# Altium PCB Goldstrike1_Rev01 2014 06 02 2.PcbDoc (part 2 of 6)
Units mm, origin at the board's own origin, x right, y up, seen from the top; angles counter-clockwise.
Board outline 110 x 255.5 mm, 4 copper layers (L1, L2, L3, L4), stack 1.577 mm thick; 658 components, 193 nets, 4346 pads, 2120 vias.
Unrouted connection lines stored in the file: 1041.
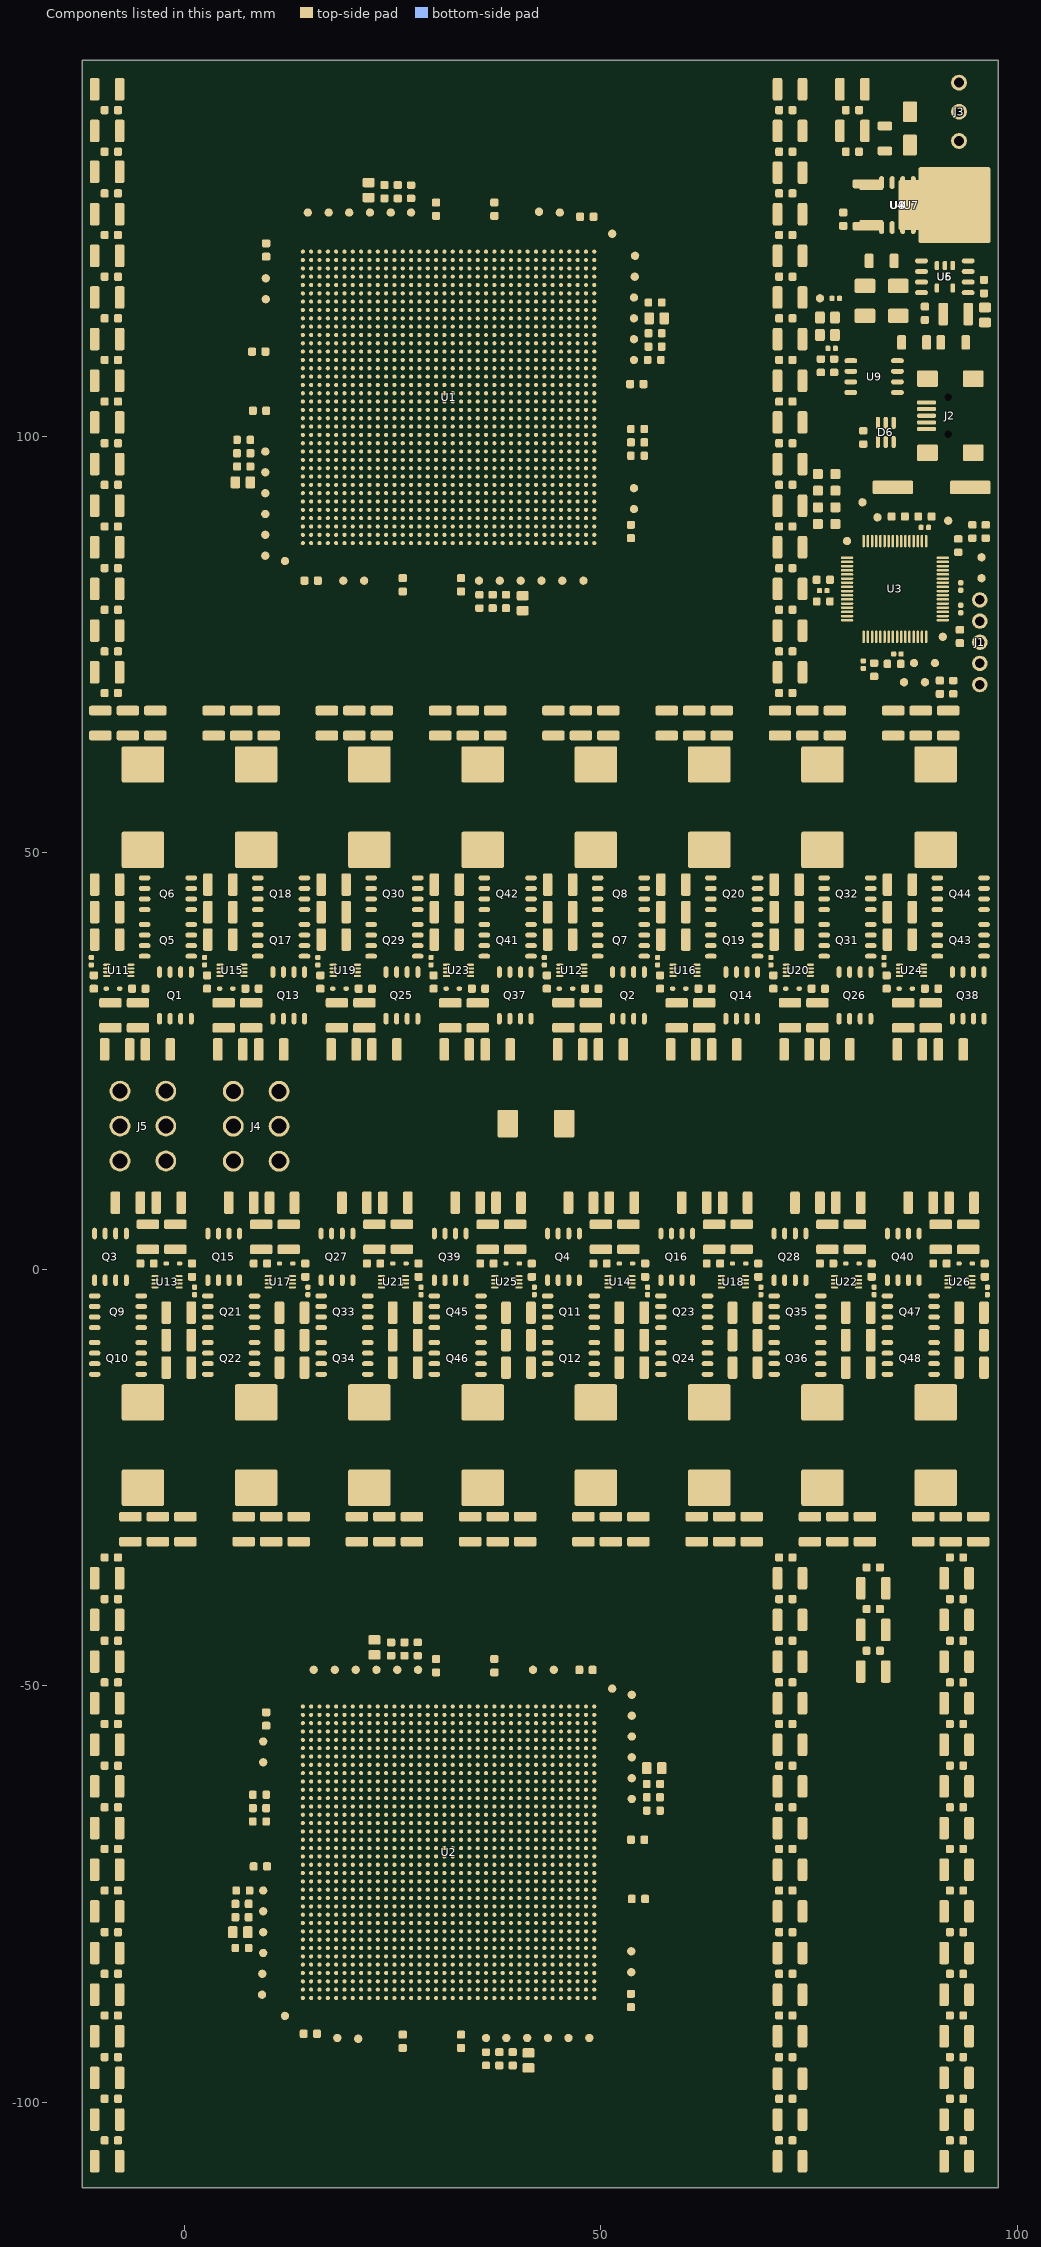
[diagram p4: the components of this part, seen from the top]

## Components (designator, comment, footprint, x,y, rotation, side; value= is the part's Value field where it differs from the comment) (continued)
C402 "SMD_1210_CAPC3225X270N" SMD_1210_CAPC3225X270N 59.9,26.4 r180 top
C403 "SMD_1210_CAPC3225X270N" SMD_1210_CAPC3225X270N 62.4,30.5 r90 top
C404 "SMD_1210_CAPC3225X270N" SMD_1210_CAPC3225X270N 73.5,26.4 r180 top
C405 "SMD_1210_CAPC3225X270N" SMD_1210_CAPC3225X270N 76,30.5 r90 top
C406 "SMD_1210_CAPC3225X270N" SMD_1210_CAPC3225X270N 87.1,26.4 r180 top
C407 "SMD_1210_CAPC3225X270N" SMD_1210_CAPC3225X270N 89.6,30.5 r90 top
C408 "SMD_1210_CAPC3225X279N" SMD_1210_CAPC3225X279N -9.3,42.9 r180 top
C409 "SMD_1210_CAPC3225X279N" SMD_1210_CAPC3225X279N -9.3,46.2 r180 top
C410 "SMD_1210_CAPC3225X279N" SMD_1210_CAPC3225X279N -9.3,39.6 r180 top
C411 "SMD_1210_CAPC3225X279N" SMD_1210_CAPC3225X279N 4.3,42.9 r180 top
C412 "SMD_1210_CAPC3225X279N" SMD_1210_CAPC3225X279N 4.3,46.2 r180 top
C413 "SMD_1210_CAPC3225X279N" SMD_1210_CAPC3225X279N 4.3,39.6 r180 top
C414 "SMD_1210_CAPC3225X279N" SMD_1210_CAPC3225X279N 17.9,42.9 r180 top
C415 "SMD_1210_CAPC3225X279N" SMD_1210_CAPC3225X279N 17.9,46.2 r180 top
C416 "SMD_1210_CAPC3225X279N" SMD_1210_CAPC3225X279N 17.9,39.6 r180 top
C417 "SMD_1210_CAPC3225X279N" SMD_1210_CAPC3225X279N 31.5,42.9 r180 top
C418 "SMD_1210_CAPC3225X279N" SMD_1210_CAPC3225X279N 31.5,46.2 r180 top
C419 "SMD_1210_CAPC3225X279N" SMD_1210_CAPC3225X279N 31.5,39.6 r180 top
C420 "SMD_1210_CAPC3225X270N" SMD_1210_CAPC3225X270N -8.1,26.4 r180 top
C421 "SMD_1210_CAPC3225X270N" SMD_1210_CAPC3225X270N -5.6,30.5 r90 top
C422 "SMD_1210_CAPC3225X270N" SMD_1210_CAPC3225X270N 5.5,26.4 r180 top
C423 "SMD_1210_CAPC3225X270N" SMD_1210_CAPC3225X270N 8,30.5 r90 top
C424 "SMD_1210_CAPC3225X270N" SMD_1210_CAPC3225X270N 19.1,26.4 r180 top
C425 "SMD_1210_CAPC3225X270N" SMD_1210_CAPC3225X270N 21.6,30.5 r90 top
C426 "SMD_1210_CAPC3225X270N" SMD_1210_CAPC3225X270N 32.7,26.4 r180 top
C427 "SMD_1210_CAPC3225X270N" SMD_1210_CAPC3225X270N 35.2,30.5 r90 top
D1 "SMD_0805_LED2012X100N" SMD_0805_LED2012X100N 77.1,89.5 r0 top
D2 "SMD_0805_LED2012X100N" SMD_0805_LED2012X100N 77.1,91.5 r0 top
D3 "SMD_0805_LED2012X100N" SMD_0805_LED2012X100N 77.1,95.5 r0 top
D4 "SMD_0805_LED2012X100N" SMD_0805_LED2012X100N 77.1,93.5 r0 top
D5 "SMD_DO214AC_SMA" SMD_DO214AC_SMA 83.7,114.5 r180 top
D6 "SMD_SOT457_SOT95P275X110-6N" SMD_SOT457_SOT95P275X110-6N 84.2,100.5 r270 top
D7 "SMD_DO214AC_SMA" SMD_DO214AC_SMA 83.7,118.1 r0 top
D8 "SMD_DO214AC_SMA" SMD_DO214AC_SMA 87.1,137 r90 top
D9 "SMD_DO214AC_SMC" SMD_DO214AC_SMC 42.2,17.5 r180 top
D10 "SMD_SOD523_SOD1608X65N" SMD_SOD523_SOD1608X65N -8.6,33.7 r180 top
D11 "SMD_SOD523_SOD1608X65N" SMD_SOD523_SOD1608X65N 45.8,33.7 r180 top
D12 "SMD_SOD523_SOD1608X65N" SMD_SOD523_SOD1608X65N -1.4,0.7 r0 top
D13 "SMD_SOD523_SOD1608X65N" SMD_SOD523_SOD1608X65N 53,0.7 r0 top
D14 "SMD_SOD523_SOD1608X65N" SMD_SOD523_SOD1608X65N 5,33.7 r180 top
D15 "SMD_SOD523_SOD1608X65N" SMD_SOD523_SOD1608X65N 59.4,33.7 r180 top
D16 "SMD_SOD523_SOD1608X65N" SMD_SOD523_SOD1608X65N 12.2,0.7 r0 top
D17 "SMD_SOD523_SOD1608X65N" SMD_SOD523_SOD1608X65N 66.6,0.7 r0 top
D18 "SMD_SOD523_SOD1608X65N" SMD_SOD523_SOD1608X65N 18.6,33.7 r180 top
D19 "SMD_SOD523_SOD1608X65N" SMD_SOD523_SOD1608X65N 73,33.7 r180 top
D20 "SMD_SOD523_SOD1608X65N" SMD_SOD523_SOD1608X65N 25.8,0.7 r0 top
D21 "SMD_SOD523_SOD1608X65N" SMD_SOD523_SOD1608X65N 80.2,0.7 r0 top
D22 "SMD_SOD523_SOD1608X65N" SMD_SOD523_SOD1608X65N 32.2,33.7 r180 top
D23 "SMD_SOD523_SOD1608X65N" SMD_SOD523_SOD1608X65N 86.6,33.7 r180 top
D24 "SMD_SOD523_SOD1608X65N" SMD_SOD523_SOD1608X65N 39.4,0.7 r0 top
D25 "SMD_SOD523_SOD1608X65N" SMD_SOD523_SOD1608X65N 93.8,0.7 r0 top
FB1 "SMD_0805_INDC2012X105N" SMD_0805_INDC2012X105N 7,94.5 r0 top
FB2 "SMD_0805_INDC2012X105N" SMD_0805_INDC2012X105N 56.7,114.2 r180 top
FB3 "SMD_0805_INDC2012X105N" SMD_0805_INDC2012X105N 40.6,80 r90 top
FB4 "SMD_0805_INDC2012X105N" SMD_0805_INDC2012X105N 22.1,129.6 r270 top
FB5 "SMD_0805_INDC2012X105N" SMD_0805_INDC2012X105N 77.2,114.3 r180 top
FB6 "SMD_0805_INDC2012X105N" SMD_0805_INDC2012X105N 56.4,-59.9 r180 top
FB7 "SMD_0805_INDC2012X105N" SMD_0805_INDC2012X105N 6.7,-79.6 r0 top
FB8 "SMD_0805_INDC2012X105N" SMD_0805_INDC2012X105N 22.8,-45.4 r270 top
FB9 "SMD_0805_INDC2012X105N" SMD_0805_INDC2012X105N 41.3,-95 r90 top
J1 "PTH_HDRV05W64P254_1X05" PTH_HDRV05W64P254_1X05 95.5,75.3 r270 top
J2 "SMD_CON-CVILUX-CU04-SCM15B0" SMD_CON-CVILUX-CU04-SCM15B0 91.7,102.5 r90 top
J3 "PTH_CON_HD-351-3P" PTH_CON_HD-351-3P 93,139 r90 top
J4 "PTH_CON_WR-MRC4-6P_S" PTH_CON_WR-MRC4-6P_S 8.6,17.181 r90 top
J5 "PTH_CON_WR-MRC4-6P_S" PTH_CON_WR-MRC4-6P_S -5,17.2 r90 top
L1 "SMT_INDM135130X800N" SMT_INDM135130X800N -5,55.5 r90 top
L2 "SMT_INDM135130X800N" SMT_INDM135130X800N 49.4,55.5 r90 top
L3 "SMT_INDM135130X800N" SMT_INDM135130X800N -5,-21.1 r270 top
L4 "SMT_INDM135130X800N" SMT_INDM135130X800N 49.4,-21.1 r270 top
L5 "SMT_INDM135130X800N" SMT_INDM135130X800N 8.6,55.5 r90 top
L6 "SMT_INDM135130X800N" SMT_INDM135130X800N 63,55.5 r90 top
L7 "SMT_INDM135130X800N" SMT_INDM135130X800N 8.6,-21.1 r270 top
L8 "SMT_INDM135130X800N" SMT_INDM135130X800N 63,-21.1 r270 top
L9 "SMT_INDM135130X800N" SMT_INDM135130X800N 22.2,55.5 r90 top
L10 "SMT_INDM135130X800N" SMT_INDM135130X800N 76.6,55.5 r90 top
L11 "SMT_INDM135130X800N" SMT_INDM135130X800N 22.2,-21.1 r270 top
L12 "SMT_INDM135130X800N" SMT_INDM135130X800N 76.6,-21.1 r270 top
L13 "SMT_INDM135130X800N" SMT_INDM135130X800N 35.8,55.5 r90 top
L14 "SMT_INDM135130X800N" SMT_INDM135130X800N 90.2,55.5 r90 top
L15 "SMT_INDM135130X800N" SMT_INDM135130X800N 35.8,-21.1 r270 top
L16 "SMT_INDM135130X800N" SMT_INDM135130X800N 90.2,-21.1 r270 top
Q1 "SMD_SOIC127P600X110-9AN" SMD_SOIC127P600X110-9AN -1.1,32.9 r270 top
Q2 "SMD_SOIC127P600X110-9AN" SMD_SOIC127P600X110-9AN 53.3,32.9 r270 top
Q3 "SMD_SOIC127P600X110-9AN" SMD_SOIC127P600X110-9AN -8.9,1.5 r90 top
Q4 "SMD_SOIC127P600X110-9AN" SMD_SOIC127P600X110-9AN 45.5,1.5 r90 top
Q5 "SMD_SOIC127P600X110-9AN" SMD_SOIC127P600X110-9AN -2,39.5 r0 top
Q6 "SMD_SOIC127P600X110-9AN" SMD_SOIC127P600X110-9AN -2,45.1 r0 top
Q7 "SMD_SOIC127P600X110-9AN" SMD_SOIC127P600X110-9AN 52.4,39.5 r0 top
Q8 "SMD_SOIC127P600X110-9AN" SMD_SOIC127P600X110-9AN 52.4,45.1 r0 top
Q9 "SMD_SOIC127P600X110-9AN" SMD_SOIC127P600X110-9AN -8,-5.1 r180 top
Q10 "SMD_SOIC127P600X110-9AN" SMD_SOIC127P600X110-9AN -8,-10.7 r180 top
Q11 "SMD_SOIC127P600X110-9AN" SMD_SOIC127P600X110-9AN 46.4,-5.1 r180 top
Q12 "SMD_SOIC127P600X110-9AN" SMD_SOIC127P600X110-9AN 46.4,-10.7 r180 top
Q13 "SMD_SOIC127P600X110-9AN" SMD_SOIC127P600X110-9AN 12.5,32.9 r270 top
Q14 "SMD_SOIC127P600X110-9AN" SMD_SOIC127P600X110-9AN 66.9,32.9 r270 top
Q15 "SMD_SOIC127P600X110-9AN" SMD_SOIC127P600X110-9AN 4.7,1.5 r90 top
Q16 "SMD_SOIC127P600X110-9AN" SMD_SOIC127P600X110-9AN 59.1,1.5 r90 top
Q17 "SMD_SOIC127P600X110-9AN" SMD_SOIC127P600X110-9AN 11.6,39.5 r0 top
Q18 "SMD_SOIC127P600X110-9AN" SMD_SOIC127P600X110-9AN 11.6,45.1 r0 top
Q19 "SMD_SOIC127P600X110-9AN" SMD_SOIC127P600X110-9AN 66,39.5 r0 top
Q20 "SMD_SOIC127P600X110-9AN" SMD_SOIC127P600X110-9AN 66,45.1 r0 top
Q21 "SMD_SOIC127P600X110-9AN" SMD_SOIC127P600X110-9AN 5.6,-5.1 r180 top
Q22 "SMD_SOIC127P600X110-9AN" SMD_SOIC127P600X110-9AN 5.6,-10.7 r180 top
Q23 "SMD_SOIC127P600X110-9AN" SMD_SOIC127P600X110-9AN 60,-5.1 r180 top
Q24 "SMD_SOIC127P600X110-9AN" SMD_SOIC127P600X110-9AN 60,-10.7 r180 top
Q25 "SMD_SOIC127P600X110-9AN" SMD_SOIC127P600X110-9AN 26.1,32.9 r270 top
Q26 "SMD_SOIC127P600X110-9AN" SMD_SOIC127P600X110-9AN 80.5,32.9 r270 top
Q27 "SMD_SOIC127P600X110-9AN" SMD_SOIC127P600X110-9AN 18.3,1.5 r90 top
Q28 "SMD_SOIC127P600X110-9AN" SMD_SOIC127P600X110-9AN 72.7,1.5 r90 top
Q29 "SMD_SOIC127P600X110-9AN" SMD_SOIC127P600X110-9AN 25.2,39.5 r0 top
Q30 "SMD_SOIC127P600X110-9AN" SMD_SOIC127P600X110-9AN 25.2,45.1 r0 top
Q31 "SMD_SOIC127P600X110-9AN" SMD_SOIC127P600X110-9AN 79.6,39.5 r0 top
Q32 "SMD_SOIC127P600X110-9AN" SMD_SOIC127P600X110-9AN 79.6,45.1 r0 top
Q33 "SMD_SOIC127P600X110-9AN" SMD_SOIC127P600X110-9AN 19.2,-5.1 r180 top
Q34 "SMD_SOIC127P600X110-9AN" SMD_SOIC127P600X110-9AN 19.2,-10.7 r180 top
Q35 "SMD_SOIC127P600X110-9AN" SMD_SOIC127P600X110-9AN 73.6,-5.1 r180 top
Q36 "SMD_SOIC127P600X110-9AN" SMD_SOIC127P600X110-9AN 73.6,-10.7 r180 top
Q37 "SMD_SOIC127P600X110-9AN" SMD_SOIC127P600X110-9AN 39.7,32.9 r270 top
Q38 "SMD_SOIC127P600X110-9AN" SMD_SOIC127P600X110-9AN 94.1,32.9 r270 top
Q39 "SMD_SOIC127P600X110-9AN" SMD_SOIC127P600X110-9AN 31.9,1.5 r90 top
Q40 "SMD_SOIC127P600X110-9AN" SMD_SOIC127P600X110-9AN 86.3,1.5 r90 top
Q41 "SMD_SOIC127P600X110-9AN" SMD_SOIC127P600X110-9AN 38.8,39.5 r0 top
Q42 "SMD_SOIC127P600X110-9AN" SMD_SOIC127P600X110-9AN 38.8,45.1 r0 top
Q43 "SMD_SOIC127P600X110-9AN" SMD_SOIC127P600X110-9AN 93.2,39.5 r0 top
Q44 "SMD_SOIC127P600X110-9AN" SMD_SOIC127P600X110-9AN 93.2,45.1 r0 top
Q45 "SMD_SOIC127P600X110-9AN" SMD_SOIC127P600X110-9AN 32.8,-5.1 r180 top
Q46 "SMD_SOIC127P600X110-9AN" SMD_SOIC127P600X110-9AN 32.8,-10.7 r180 top
Q47 "SMD_SOIC127P600X110-9AN" SMD_SOIC127P600X110-9AN 87.2,-5.1 r180 top
Q48 "SMD_SOIC127P600X110-9AN" SMD_SOIC127P600X110-9AN 87.2,-10.7 r180 top
R1 "SMD_0603_RESC1608X55N" SMD_0603_RESC1608X55N 6.9,-81.5 r180 top
R2 "SMD_0603_RESC1608X55N" SMD_0603_RESC1608X55N 9,-63.1 r180 top
R3 "SMD_0603_RESC1608X55N" SMD_0603_RESC1608X55N 56.5,116.1 r0 top
R4 "SMD_0603_RESC1608X55N" SMD_0603_RESC1608X55N 96.2,88.6 r270 top
R5 "SMD_0603_RESC1608X55N" SMD_0603_RESC1608X55N 94.6,88.6 r270 top
R6 "SMD_0603_RESC1608X55N" SMD_0603_RESC1608X55N 92.3,69.9 r270 top
R9 "SMD_0603_RESC1608X55N" SMD_0603_RESC1608X55N 82.8,72 r270 top
R10 "SMD_0603_RESC1608X55N" SMD_0603_RESC1608X55N 92.9,86.9 r270 top
R11 "SMD_0603_RESC1608X55N" SMD_0603_RESC1608X55N 81.5,99.9 r270 top
R12 "SMD_1206_RESC3216X65N" SMD_1206_RESC3216X65N 83.7,121.1 r0 top
R13 "SMD_1206_RESC3216X65N" SMD_1206_RESC3216X65N 84.1,135.8 r90 top
R14 "SMD_1206_RESC3216X65N" SMD_1206_RESC3216X65N 92.3,111.3 r0 top
R15 "SMD_1206_RESC3216X65N" SMD_1206_RESC3216X65N 87.6,111.3 r180 top
R16 "SMD_0603_RESC1608X55N" SMD_0603_RESC1608X55N 78,108.5 r270 top
R17 "SMD_0603_RESC1608X55N" SMD_0603_RESC1608X55N 76.4,108.5 r90 top
R20 "SMD_0603_RESC1608X55N" SMD_0603_RESC1608X55N 54.4,97.7 r0 top
R21 "SMD_0603_RESC1608X55N" SMD_0603_RESC1608X55N 85.2,72.7 r180 top
R22 "SMD_0603_RESC1608X55N" SMD_0603_RESC1608X55N 54.4,100.9 r180 top
R23 "SMD_0603_RESC1608X55N" SMD_0603_RESC1608X55N 9,-66.3 r0 top
R26 "SMD_0603_RESC1608X55N" SMD_0603_RESC1608X55N 76.7,80.2 r180 top
R27 "SMD_0603_RESC1608X55N" SMD_0603_RESC1608X55N 7.1,99.6 r0 top
R28 "SMD_0603_RESC1608X55N" SMD_0603_RESC1608X55N 35.4,80.2 r90 top
R29 "SMD_0603_RESC1608X55N" SMD_0603_RESC1608X55N 56.4,109.2 r180 top
R30 "SMD_0603_RESC1608X55N" SMD_0603_RESC1608X55N 27.2,129.4 r270 top
R31 "SMD_0603_RESC1608X55N" SMD_0603_RESC1608X55N 56.3,-65 r180 top
R32 "SMD_0603_RESC1608X55N" SMD_0603_RESC1608X55N 28,-45.6 r270 top
R33 "SMD_0603_RESC1608X55N" SMD_0603_RESC1608X55N 7,-74.6 r0 top
R34 "SMD_0603_RESC1608X55N" SMD_0603_RESC1608X55N 36.2,-94.8 r90 top
TP2 "SMD_TP_100-254" SMD_TP_100-254 76.3,116.6 r0 top
TP3 "SMD_TP_100-254" SMD_TP_100-254 86.4,70.5 r0 top
TP5 "SMD_TP_100-254" SMD_TP_100-254 87.6,72.8 r0 top
TP6 "SMD_TP_100-254" SMD_TP_100-254 88.9,70.5 r0 top
TP7 "SMD_TP_100-254" SMD_TP_100-254 90.1,72.8 r0 top
TP10 "SMD_TP_100-254" SMD_TP_100-254 95.7,83 r0 top
TP11 "SMD_TP_100-254" SMD_TP_100-254 95.7,85.5 r0 top
TP12 "SMD_TP_100-254" SMD_TP_100-254 81.4,92.1 r0 top
TP13 "SMD_TP_100-254" SMD_TP_100-254 83.2,90.3 r0 top
TP21 "SMD_TP_100-254" SMD_TP_100-254 91.7,89.9 r0 top
TP22 "SMD_TP_100-254" SMD_TP_100-254 19.059,82.696 r0 top
TP23 "SMD_TP_100-254" SMD_TP_100-254 53.959,91.296 r0 top
TP24 "SMD_TP_100-254" SMD_TP_100-254 45.059,126.896 r0 top
TP25 "SMD_TP_100-254" SMD_TP_100-254 9.759,118.996 r0 top
TP26 "SMD_TP_100-254" SMD_TP_100-254 21.559,82.696 r0 top
TP27 "SMD_TP_100-254" SMD_TP_100-254 53.959,93.796 r0 top
TP28 "SMD_TP_100-254" SMD_TP_100-254 42.559,126.996 r0 top
TP29 "SMD_TP_100-254" SMD_TP_100-254 9.759,116.496 r0 top
TP30 "SMD_TP_100-254" SMD_TP_100-254 44.341,-48.096 r180 top
TP31 "SMD_TP_100-254" SMD_TP_100-254 9.441,-56.696 r180 top
TP32 "SMD_TP_100-254" SMD_TP_100-254 18.341,-92.296 r180 top
TP33 "SMD_TP_100-254" SMD_TP_100-254 53.641,-84.396 r180 top
TP34 "SMD_TP_100-254" SMD_TP_100-254 41.841,-48.096 r180 top
TP35 "SMD_TP_100-254" SMD_TP_100-254 9.441,-59.196 r180 top
TP36 "SMD_TP_100-254" SMD_TP_100-254 20.841,-92.396 r180 top
TP37 "SMD_TP_100-254" SMD_TP_100-254 53.641,-81.896 r180 top
TP38 "SMD_TP_100-254" SMD_TP_100-254 9.7,88.2 r0 top
TP39 "SMD_TP_100-254" SMD_TP_100-254 45.359,82.696 r0 top
TP40 "SMD_TP_100-254" SMD_TP_100-254 54.059,119.196 r0 top
TP41 "SMD_TP_100-254" SMD_TP_100-254 17.3,126.9 r0 top
TP42 "SMD_TP_100-254" SMD_TP_100-254 9.7,93.2 r0 top
TP43 "SMD_TP_100-254" SMD_TP_100-254 40.359,82.696 r0 top
TP44 "SMD_TP_100-254" SMD_TP_100-254 53.959,114.196 r0 top
TP45 "SMD_TP_100-254" SMD_TP_100-254 22.259,126.896 r0 top
TP46 "SMD_TP_100-254" SMD_TP_100-254 9.7,90.7 r0 top
TP47 "SMD_TP_100-254" SMD_TP_100-254 42.859,82.696 r0 top
TP48 "SMD_TP_100-254" SMD_TP_100-254 53.959,116.696 r0 top
TP49 "SMD_TP_100-254" SMD_TP_100-254 19.759,126.896 r0 top
TP50 "SMD_TP_100-254" SMD_TP_100-254 9.7,95.7 r0 top
TP51 "SMD_TP_100-254" SMD_TP_100-254 37.859,82.696 r0 top
TP52 "SMD_TP_100-254" SMD_TP_100-254 53.959,111.696 r0 top
TP53 "SMD_TP_100-254" SMD_TP_100-254 24.759,126.896 r0 top
TP54 "SMD_TP_100-254" SMD_TP_100-254 53.7,-53.6 r180 top
TP55 "SMD_TP_100-254" SMD_TP_100-254 18.041,-48.096 r180 top
TP56 "SMD_TP_100-254" SMD_TP_100-254 9.341,-84.596 r180 top
TP57 "SMD_TP_100-254" SMD_TP_100-254 46.1,-92.3 r180 top
TP58 "SMD_TP_100-254" SMD_TP_100-254 53.7,-58.6 r180 top
TP59 "SMD_TP_100-254" SMD_TP_100-254 23.041,-48.096 r180 top
TP60 "SMD_TP_100-254" SMD_TP_100-254 9.441,-79.596 r180 top
TP61 "SMD_TP_100-254" SMD_TP_100-254 41.141,-92.296 r180 top
TP62 "SMD_TP_100-254" SMD_TP_100-254 53.7,-56.1 r180 top
TP63 "SMD_TP_100-254" SMD_TP_100-254 20.541,-48.096 r180 top
TP64 "SMD_TP_100-254" SMD_TP_100-254 9.441,-82.096 r180 top
TP65 "SMD_TP_100-254" SMD_TP_100-254 43.641,-92.296 r180 top
TP66 "SMD_TP_100-254" SMD_TP_100-254 53.7,-61.1 r180 top
TP67 "SMD_TP_100-254" SMD_TP_100-254 25.541,-48.096 r180 top
TP68 "SMD_TP_100-254" SMD_TP_100-254 9.441,-77.096 r180 top
TP69 "SMD_TP_100-254" SMD_TP_100-254 38.641,-92.296 r180 top
TP70 "SMD_TP_100-254" SMD_TP_100-254 9.7,85.7 r0 top
TP71 "SMD_TP_100-254" SMD_TP_100-254 14.8,126.9 r0 top
TP72 "SMD_TP_100-254" SMD_TP_100-254 47.9,82.7 r0 top
TP73 "SMD_TP_100-254" SMD_TP_100-254 54.1,121.7 r0 top
TP74 "SMD_TP_100-254" SMD_TP_100-254 53.7,-51.1 r180 top
TP75 "SMD_TP_100-254" SMD_TP_100-254 48.6,-92.3 r180 top
TP76 "SMD_TP_100-254" SMD_TP_100-254 15.5,-48.1 r180 top
TP77 "SMD_TP_100-254" SMD_TP_100-254 9.3,-87.1 r180 top
TP78 "SMD_TP_100-254" SMD_TP_100-254 9.7,98.2 r0 top
TP79 "SMD_TP_100-254" SMD_TP_100-254 35.359,82.696 r0 top
TP80 "SMD_TP_100-254" SMD_TP_100-254 53.959,109.196 r0 top
TP81 "SMD_TP_100-254" SMD_TP_100-254 27.2,126.9 r0 top
TP82 "SMD_TP_100-254" SMD_TP_100-254 53.7,-63.6 r180 top
TP83 "SMD_TP_100-254" SMD_TP_100-254 28.041,-48.096 r180 top
TP84 "SMD_TP_100-254" SMD_TP_100-254 9.441,-74.596 r180 top
TP85 "SMD_TP_100-254" SMD_TP_100-254 36.2,-92.3 r180 top
U1 "SMD_BGA1296C100P36X36" SMD_BGA1296C100P36X36 31.7,104.7 r0 top
U2 "SMD_BGA1296C100P36X36" SMD_BGA1296C100P36X36 31.7,-70 r180 top
U3 "SMD_QFP50P1200X1200X120-64N" SMD_QFP50P1200X1200X120-64N 85.3,81.7 r90 top
U4 "SMD_SOIC127P600X175-8N" SMD_SOIC127P600X175-8N 85.6,127.8 r90 top
U5 "SMD_SOT95P280X135-5N" SMD_SOT95P280X135-5N 91.295,119.187 r270 top
U6 "SMD_SOIC127P620X160-8N" SMD_SOIC127P620X160-8N 91.295,119.187 r180 top
U7 "SMD_TO254P1542X460-3_4N" SMD_TO254P1542X460-3_4N 88.5,127.8 r0 top
U8 "SMD_TO229P991X239-4N_DPAK" SMD_TO229P991X239-4N_DPAK 86.6,127.8 r0 top
U9 "SMD_SOIC127P620X160-8N" SMD_SOIC127P620X160-8N 82.8,107.2 r0 top
U11 "SMD_SON45P300X200X80-9N" SMD_SON45P300X200X80-9N -7.9,35.9 r180 top
U12 "SMD_SON45P300X200X80-9N" SMD_SON45P300X200X80-9N 46.5,35.9 r180 top
U13 "SMD_SON45P300X200X80-9N" SMD_SON45P300X200X80-9N -2.1,-1.5 r0 top
U14 "SMD_SON45P300X200X80-9N" SMD_SON45P300X200X80-9N 52.3,-1.5 r0 top
U15 "SMD_SON45P300X200X80-9N" SMD_SON45P300X200X80-9N 5.7,35.9 r180 top
U16 "SMD_SON45P300X200X80-9N" SMD_SON45P300X200X80-9N 60.1,35.9 r180 top
U17 "SMD_SON45P300X200X80-9N" SMD_SON45P300X200X80-9N 11.5,-1.5 r0 top
U18 "SMD_SON45P300X200X80-9N" SMD_SON45P300X200X80-9N 65.9,-1.5 r0 top
U19 "SMD_SON45P300X200X80-9N" SMD_SON45P300X200X80-9N 19.3,35.9 r180 top
U20 "SMD_SON45P300X200X80-9N" SMD_SON45P300X200X80-9N 73.7,35.9 r180 top
U21 "SMD_SON45P300X200X80-9N" SMD_SON45P300X200X80-9N 25.1,-1.5 r0 top
U22 "SMD_SON45P300X200X80-9N" SMD_SON45P300X200X80-9N 79.5,-1.5 r0 top
U23 "SMD_SON45P300X200X80-9N" SMD_SON45P300X200X80-9N 32.9,35.9 r180 top
U24 "SMD_SON45P300X200X80-9N" SMD_SON45P300X200X80-9N 87.3,35.9 r180 top
U25 "SMD_SON45P300X200X80-9N" SMD_SON45P300X200X80-9N 38.7,-1.5 r0 top
U26 "SMD_SON45P300X200X80-9N" SMD_SON45P300X200X80-9N 93.1,-1.5 r0 top
Y1 "SMD_HC49_XTAL1140X480X420N" SMD_HC49_XTAL1140X480X420N 89.7,93.9 r180 top
